# Altium PCB robot.PcbDoc (part 13 of 13)
Units mm, origin at the board's own origin, x right, y up, seen from the top; angles counter-clockwise.
Board outline 97 x 68 mm, 2 copper layers (Top Layer, Bottom Layer); 163 components, 156 nets, 23258 pads, 60 vias.
Unrouted connection lines stored in the file: 298.
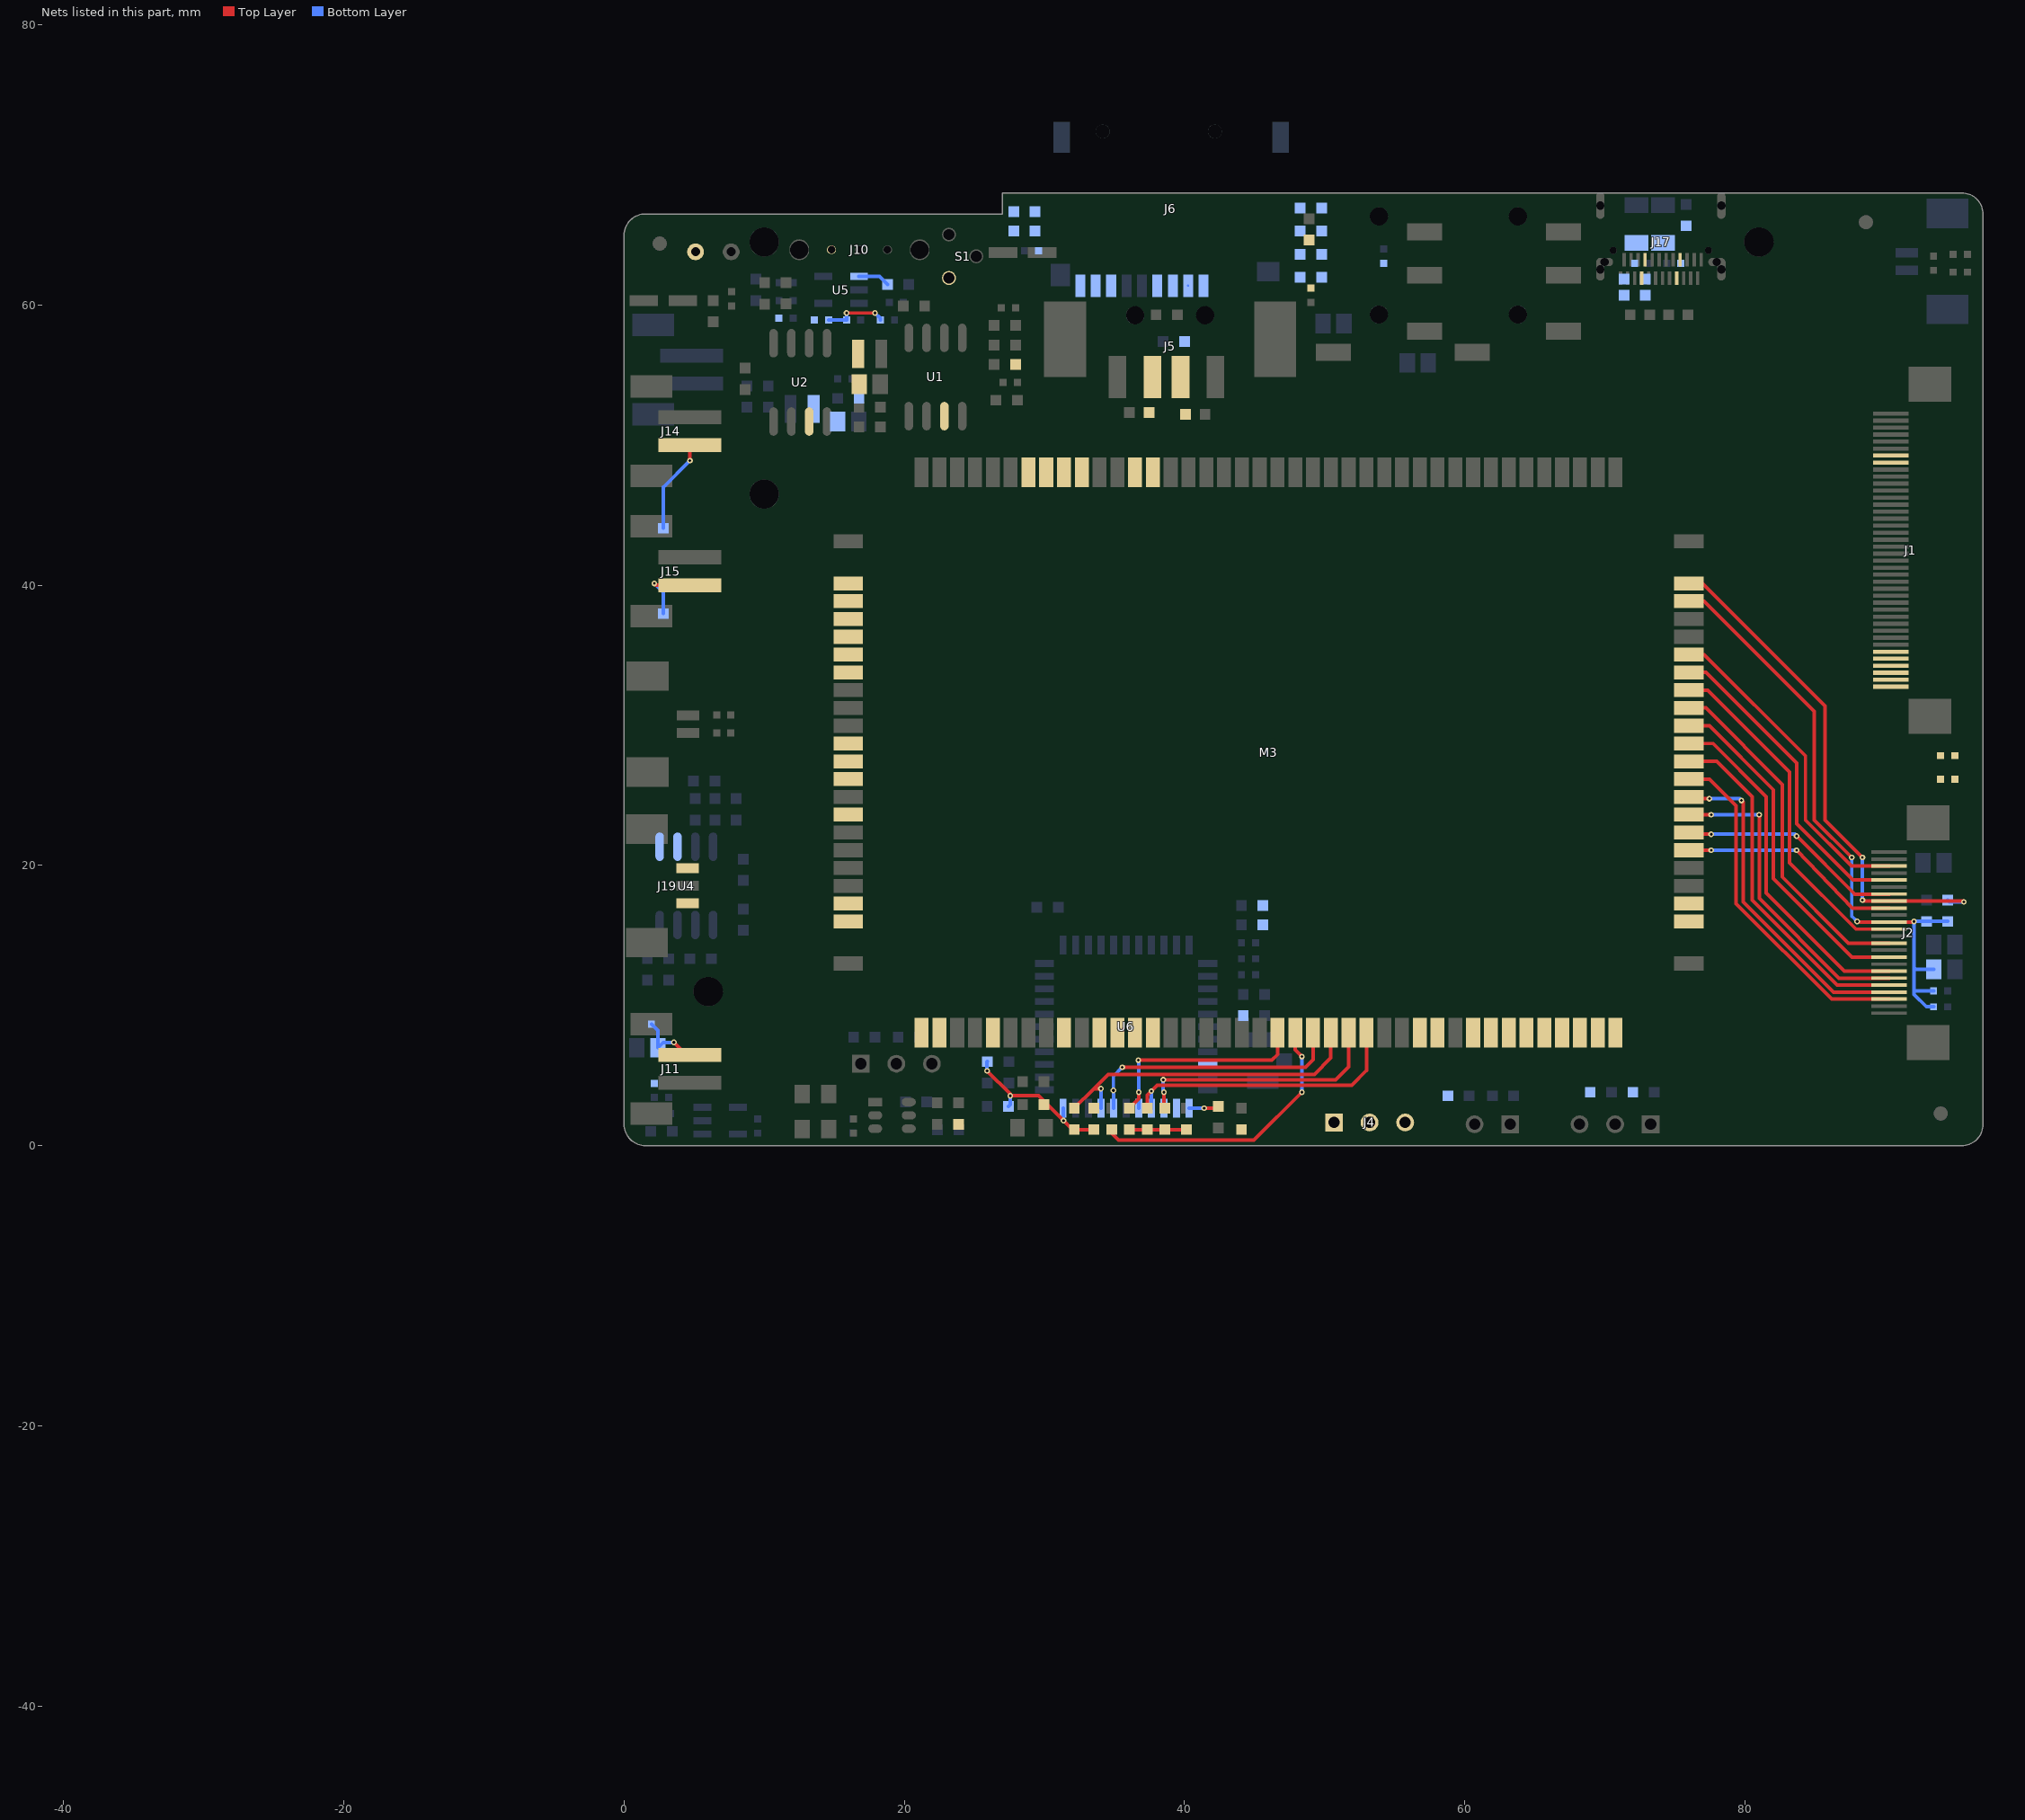
[diagram p13: the nets of this part, all layers, seen from the top]

## Via types
v1: diameter 0.406, hole 0.203, Top Layer to Bottom Layer, 60 vias

## Nets (pads, with @x,y where several pads share a name; then routed paths per layer and width w, separated by ;. In a path a pad name is that pad's centre, name@x,y a point inside that pad or via, vN(x,y) a via of type N, cw(c..) or ccw(c..) an arc to the next point about the centre after c; other vN are vias at no path point) (continued)
PE2_CSI-HSYNC: J2.9 M3.65 | length 16
  Top Layer w0.254: M3.65@76.002,21.082 v1(77.597,21.082) ; v1(83.693,21.082) 87.693,16.955 J2.9@90.297,16.955
  Bottom Layer w0.254: v1(77.597,21.082) v1(83.693,21.082)
PE3_CSI-VSYNC: J2.7 M3.66 | length 16.1
  Top Layer w0.254: M3.66@76.002,22.352 76.129,22.225 v1(77.597,22.225) ; v1(83.693,22.098) 87.836,17.955 J2.7@90.297,17.955
  Bottom Layer w0.254: v1(77.597,22.225) 83.566,22.225 v1(83.693,22.098)
PE4_CSI-D0: J2.19 M3.67 | length 22.6
  Top Layer w0.254: M3.67@76.002,23.622 v1(77.597,23.622) ; v1(81.026,23.622) 81.026,17.653 86.724,11.955 J2.19@90.297,11.955
  Bottom Layer w0.254: v1(77.597,23.622) v1(81.026,23.622)
PE5_CSI-D1: J2.21 M3.68 | length 24.2
  Top Layer w0.254: M3.68@76.002,24.892 76.129,24.765 v1(77.47,24.765) ; v1(79.756,24.638) 79.883,24.511 79.883,17.399 86.327,10.955 J2.21@90.297,10.955
  Bottom Layer w0.254: v1(77.47,24.765) 79.629,24.765 v1(79.756,24.638)
PE6_CSI-D2: J2.22 M3.69 | length 24.9
  Top Layer w0.254: M3.69@76.002,26.162 77.47,26.162 79.375,24.257 79.375,17.272 86.192,10.455 J2.22@90.297,10.455
PE7_CSI-D3: J2.20 M3.70 | length 25.2
  Top Layer w0.254: M3.70@76.002,27.432 77.978,27.432 80.518,24.892 80.518,17.526 86.589,11.455 J2.20@90.297,11.455
PE8_CSI-D4: J2.18 M3.71 | length 25
  Top Layer w0.254: M3.71@76.002,28.702 77.724,28.702 81.534,24.892 81.534,18.034 87.113,12.455 J2.18@90.297,12.455
PE9_CSI-D5: J2.16 M3.72 | length 24.9
  Top Layer w0.254: M3.72@76.002,29.972 77.47,29.972 82.042,25.4 82.042,19.05 87.637,13.455 J2.16@90.297,13.455
PE10_CSI-D6: J2.14 M3.73 | length 25.1
  Top Layer w0.254: M3.73@76.002,31.242 77.216,31.242 82.677,25.781 82.677,19.177 87.399,14.455 J2.14@90.297,14.455
PE11_CSI-D7: J2.12 M3.74 | length 25.2
  Top Layer w0.254: M3.74@76.002,32.512 77.343,32.512 83.185,26.67 83.185,20.193 87.923,15.455 J2.12@90.297,15.455
PE12_CSI-SCK: J2.5 M3.75 | length 23
  Top Layer w0.254: M3.75@76.002,33.782 77.216,33.782 83.693,27.305 83.693,22.987 87.725,18.955 J2.5@90.297,18.955
PE13_CSI-SDA: J2.3 M3.76 | length 23.2
  Top Layer w0.254: M3.76@76.002,35.052 77.089,35.052 84.328,27.813 84.328,23.241 87.614,19.955 J2.3@90.297,19.955
PE16_CSI-RST-F: C13.1 C14.1 C15.1 J2.11 M3.2 M3.79 R3.1 R5.2 | length 44.8
  Top Layer w0.254: M3.79@76.002,38.862 77.089,38.862 84.963,30.988 84.963,23.241 v1(87.63,20.574) ; v1(88.011,16.002) 88.058,15.955 J2.11@90.297,15.955 92.028,15.955 v1(92.075,16.002)
  Bottom Layer w0.254: v1(87.63,20.574) 87.63,16.383 v1(88.011,16.002) ; C13.1@93.472,9.906 92.964,9.906 92.075,10.795 92.075,11.049 ; C15.1@93.472,11.049 92.075,11.049 ; C14.1@93.496,12.573 92.202,12.573 92.075,12.7 ; R5.2@94.488,16.002 R3.1@92.964,16.002 v1(92.075,16.002) 92.075,12.7 ; 92.075,11.049 92.075,12.7
PE17_CSI-STBY-F: J2.8 M3.80 R5.1 | length 36.8
  Top Layer w0.254: M3.80@76.002,40.132 76.962,40.132 85.725,31.369 85.725,23.241 v1(88.392,20.574) ; v1(88.392,17.526) 88.463,17.455 J2.8@90.297,17.455 95.575,17.455 v1(95.631,17.399)
  Bottom Layer w0.254: v1(88.392,17.526) v1(88.392,20.574) ; R5.1@94.488,17.526 94.615,17.399 v1(95.631,17.399)
PH4-SCK1: M3.49
PH5-SDA1: M3.50
POWERKEY: J19.1 M3.14
PS: C11.2 D3.A J4.3 J19.3 L12.1 M3.10 M3.11 U2.3
RESET-N: M3.22 S1.2
SDC0-CLK: M3.58 R24.1 R44.1
SDC0-CMD: J6.3 M3.57 R19.1
SDC0-D0: J6.7 M3.53 R23.1
SDC0-D1: J6.8 M3.54 R22.1
SDC0-D2: J6.1 M3.55 R20.1
SDC0-D3: J6.2 M3.56 R18.1 R43.1
SDIO-CLK: M3.42 R48.2 | length 19.9
  Top Layer w0.254: R48.2@34.82,1.143 34.82,0.867 35.306,0.381 44.958,0.381 v1(48.387,3.81) ; M3.42@47.907,8.067 47.907,6.83 v1(48.387,6.35)
  Bottom Layer w0.254: v1(48.387,3.81) v1(48.387,6.35)
SDIO-CMD: M3.41 R52.2 U6.16 | length 16.5
  Top Layer w0.254: R52.2@36.068,2.667 36.736,3.335 v1(36.736,3.81) ; v1(36.703,6.096) 46.228,6.096 46.637,6.505 M3.41@46.637,8.067
  Bottom Layer w0.254: v1(36.703,6.096) 36.736,6.063 v1(36.736,3.81) U6.16@36.736,2.667
SDIO-D0: M3.43 R53.2 U6.18 | length 19
  Top Layer w0.254: v1(35.56,5.588) 48.641,5.588 49.177,6.124 M3.43@49.177,8.067
  Bottom Layer w0.254: U6.18@34.936,2.667 34.936,3.672 34.925,3.683 v1(34.925,3.937) 34.925,4.953 v1(35.56,5.588)
SDIO-D1: M3.44 R54.2 U6.19 | length 23.5
  Top Layer w0.254: R54.2@32.131,2.667 33.528,4.064 ; v1(34.036,4.064) 33.528,4.064 ; M3.44@50.447,8.067 50.447,6.251 49.276,5.08 34.544,5.08 33.528,4.064
  Bottom Layer w0.254: U6.19@34.036,2.667 v1(34.036,4.064)
SDIO-D2: M3.45 R50.2 U6.14 | length 19.3
  Top Layer w0.254: v1(38.481,4.699) 50.8,4.699 51.717,5.616 M3.45@51.717,8.067 ; v1(38.536,3.81) 38.536,2.849 38.481,2.794 R50.2@38.608,2.667
  Bottom Layer w0.254: v1(38.481,4.699) 38.481,3.865 v1(38.536,3.81) U6.14@38.536,2.667
SDIO-D3: M3.46 R51.2 U6.15 | length 21.2
  Top Layer w0.254: R51.2@37.338,2.667 37.338,3.595 v1(37.636,3.893) 38.061,4.318 51.943,4.318 52.987,5.362 M3.46@52.987,8.067
  Bottom Layer w0.254: U6.15@37.636,2.667 v1(37.636,3.893)
SPI0-CLK: M3.61
SPI0-CS: M3.62
SPI0-MISO: M3.59
SPI0-MOSI: M3.60
T-CARD-DET: C20.1 J6.9 M3.52 R21.1
TEMP: C42.1 M3.5 R37.2 R61.1 | length 4.5
  Top Layer w0.254: v1(15.875,59.436) v1(17.907,59.436)
  Bottom Layer w0.254: R61.1@14.605,58.928 C42.1@15.875,58.928 v1(15.875,59.436) ; v1(17.907,59.436) 18.288,59.055 R37.2@18.288,58.928
TP-INT: J1.37 M3.34
TP-RST: J1.40 M3.31
TP-SCK: J1.39 M3.32 R13.2
TP-SDA: J1.38 M3.33 R10.2
UART2_CTS: M3.25 R62.2
USB-DM0: M3.113 R49.1
USB-DM1: D1.1 J5.2 M3.111
USB-DP0: M3.114 R47.1
USB-DP1: D2.1 J5.3 M3.112
USB-DRVVBUS: M3.21 R58.2
USB-ID: M3.29 R55.1
USBVBUS: C34.1 C44.1 C45.1 C46.2 J17.A4 J17.A9 J17.B4 J17.B9 M3.12 R55.2 R57.1 U5.1 | length 2.3
  Bottom Layer w0.254: U5.1@16.764,62.039 18.224,62.039 C34.1@18.796,61.468
VBAT: C35.1 C36.1 J4.1 J10.3 J11.1 M3.19 M3.20 | length 4.7
  Top Layer w0.254: v1(3.556,7.366) 4.445,6.477 J11.1@4.699,6.477
  Bottom Layer w0.254: C35.1@1.949,8.677 2.401,8.225 C36.1@2.401,6.985 2.782,7.366 v1(3.556,7.366)
VCC: C5.2 J4.2 J14.2 J15.2 L11.1 R38.1 R41.1 U1.3 | length 11.7
  Top Layer w0.254: v1(2.159,40.132) 2.291,40 J15.2@4.699,40 ; v1(4.699,48.895) J14.2@4.699,50
  Bottom Layer w0.254: v1(2.159,40.132) 2.794,39.497 R41.1@2.794,37.973 ; R38.1@2.794,44.069 2.794,46.99 v1(4.699,48.895)
VCC-3V0: C16.2 C19.2 J6.4 M3.1 R6.2 R15.2 R17.1 R18.2 R19.2 R20.2 R21.2 R22.2 R23.2 R34.2 R46.1 R57.2 U4.1 U4.2
VCC-CTP: J1.35 J1.36 M3.6 R10.1 R13.1
VCC-LCD: J1.7 J1.8 M3.4 R61.2
VCC-WIFI: C43.1 C47.2 C51.1 M3.3 R27.1 R31.1 R32.1 R36.2 R42.1 R50.1 R51.1 R52.1 R53.1 R54.1 U6.9 U6.22 | length 16
  Top Layer w0.254: v1(25.908,5.334) 27.559,3.683 v1(27.559,3.556) 29.591,3.556 29.972,3.175 C47.2@29.972,2.921 30.226,2.921 v1(31.369,1.778) 32.004,1.143 R54.1@32.131,1.143 R53.1@33.528,1.143 ; R52.1@36.068,1.143 R51.1@37.338,1.143 R50.1@38.608,1.143 C51.1@40.132,1.143
  Bottom Layer w0.254: v1(25.908,5.334) 25.908,5.969 R36.2@25.933,5.994 ; R42.1@27.432,2.794 27.559,2.921 v1(27.559,3.556) ; U6.22@31.336,2.667 31.336,1.811 v1(31.369,1.778)
WL-HOST-WAKE: M3.108 U6.13
WL-REG-ON: M3.107 R45.1 U6.12 | length 2.1
  Top Layer w0.254: v1(41.402,2.667) 42.291,2.667 R45.1@42.418,2.794
  Bottom Layer w0.254: U6.12@40.336,2.667 v1(41.402,2.667)
pads on no net: "J6. " J2.1 J2.23 J2.24 J5.5 J5.6 J5.7 J5.8 J7.3 J7.4 J10.2 J10.4 J10.5 J11.3 J11.4 J12.19 J13.19 J14.3 J14.4 J15.3 J15.4 J17.A2 J17.A3 J17.A5 J17.A8 J17.A10 J17.A11 J17.B2 J17.B3 J17.B5 J17.B8 J17.B10 J17.B11 J19.4 J19.5 M1.0 M2.0 M3.7 M3.17 M3.18 M3.26 M3.27 M3.28 M3.77 M3.78 M3.104 M4.0 M5.0 M6.0 M7.0 S1.3 U6.4 U6.5 U6.8 U6.10 U6.11 U6.25 U6.26 U6.27 U6.28 U6.32 U6.35 U6.37 U6.38 U6.39 U6.40
copper on no net: | length 9.4
  Top Layer w0.254: 46.99,60.706 47.3,60.396 48.026,60.396 51.065,57.357 51.933,57.357 52.007,57.283 52.007,55.689 52.959,54.737

## Silkscreen, mask and mechanical layers (free items; w line width, h text height)
Top Overlay:
  region: 160.931,-7.295 106.531,-7.295 104.131,-9.695 104.131,-44.195 104.731,-44.195 160.931,-44.095
  region: 124.295,50.876 178.397,50.876 178.397,14.3 178.194,14.097 122.034,14.097 121.73,14.402 121.73,48.311 121.78,48.362
Bottom Overlay:
  text "音量键" at -0.843,-82.297 h0.76 r180
Mechanical 1:
  the board outline again, w0.254
Mechanical 2:
  drawing of 19725 lines, arcs and shapes, not listed
Mechanical 3:
  drawing of 7932 lines, arcs and shapes, not listed
Mechanical 4:
  lines w0: -39.046,-44.143 -39.046,-44.141 ; -39.046,-44.143 -39.045,-44.143 ; -39.046,-44.143 -39.045,-44.143 ; -39.046,-44.143 -39.046,-44.141 ; -39.046,-44.143 -39.045,-44.143 ; -39.046,-44.143 -39.046,-44.141 ; -39.046,-44.141 -39.045,-44.141 ; -39.046,-44.141 -39.045,-44.141 ; -39.046,-44.141 -39.045,-44.141 ; -39.045,-44.143 -39.045,-44.141 ; -39.045,-44.143 -39.045,-44.141 ; -39.045,-44.143 -39.045,-44.141 ; -39.043,-44.112 -39.042,-44.112 ; -39.043,-44.112 -39.043,-44.108 ; -39.043,-44.112 -39.043,-44.108 ; -39.043,-44.112 -39.042,-44.112 ; -39.043,-44.112 -39.043,-44.108 ; -39.043,-44.112 -39.042,-44.112 ; -39.043,-44.108 -39.042,-44.108 ; -39.043,-44.108 -39.042,-44.108 ; -39.043,-44.108 -39.042,-44.108 ; -39.044,-44.1 -39.044,-44.097 ; -39.044,-44.1 -39.042,-44.1 ; -39.044,-44.1 -39.042,-44.1 ; -39.044,-44.1 -39.044,-44.097 ; -39.044,-44.1 -39.042,-44.1 ; -39.044,-44.1 -39.044,-44.097 ; -39.044,-44.097 -39.042,-44.097 ; -39.044,-44.097 -39.042,-44.097 ; -39.044,-44.097 -39.042,-44.097 ; -39.042,-44.1 -39.042,-44.097 ; -39.042,-44.1 -39.042,-44.097 ; -39.042,-44.1 -39.042,-44.097 ; -39.042,-44.112 -39.042,-44.108 ; -39.042,-44.112 -39.042,-44.108 ; -39.042,-44.112 -39.042,-44.108 ; -39.041,-44.11 -39.041,-44.108 ; -39.041,-44.11 -39.038,-44.11 ; -39.041,-44.11 -39.038,-44.11 ; -39.041,-44.11 -39.041,-44.108 ; -39.041,-44.11 -39.038,-44.11 ; -39.041,-44.11 -39.041,-44.108 ; -39.041,-44.108 -39.038,-44.108 ; -39.041,-44.108 -39.038,-44.108 ; -39.041,-44.108 -39.038,-44.108 ; -39.038,-44.122 -39.036,-44.122 ; -39.038,-44.122 -39.038,-44.121 ; -39.038,-44.122 -39.038,-44.121 ; -39.038,-44.122 -39.036,-44.122 ; -39.038,-44.122 -39.038,-44.121 ; -39.038,-44.122 -39.036,-44.122 ; -39.038,-44.121 -39.036,-44.121 ; -39.038,-44.121 -39.036,-44.121 ; -39.038,-44.121 -39.036,-44.121 ; -39.038,-44.11 -39.038,-44.108 ; -39.038,-44.11 -39.038,-44.108 ; -39.038,-44.11 -39.038,-44.108 ; -39.036,-44.122 -39.036,-44.121 ; -39.036,-44.122 -39.036,-44.121 ; -39.036,-44.122 -39.036,-44.121 ; -39.036,-44.104 -39.036,-44.101 ; -39.036,-44.104 -39.034,-44.104 ; -39.036,-44.104 -39.034,-44.104 ; -39.036,-44.104 -39.036,-44.101 ; -39.036,-44.104 -39.034,-44.104 ; -39.036,-44.104 -39.036,-44.101 ; -39.036,-44.101 -39.034,-44.101 ; -39.036,-44.101 -39.034,-44.101 ; -39.036,-44.101 -39.034,-44.101 ; -39.034,-44.104 -39.034,-44.101 ; -39.034,-44.104 -39.034,-44.101 ; -39.034,-44.104 -39.034,-44.101 ; -38.995,-44.105 -38.995,-44.102 ; -38.995,-44.105 -38.994,-44.105 ; -38.995,-44.105 -38.994,-44.105 ; -38.995,-44.105 -38.995,-44.102 ; -38.995,-44.105 -38.994,-44.105 ; -38.995,-44.105 -38.995,-44.102 ; -38.995,-44.102 -38.994,-44.102 ; -38.995,-44.102 -38.994,-44.102 ; -38.995,-44.102 -38.994,-44.102 ; -38.994,-44.105 -38.994,-44.102 ; -38.994,-44.105 -38.994,-44.102 ; -38.994,-44.105 -38.994,-44.102 ; -38.993,-44.105 -38.993,-44.102 ; -38.993,-44.105 -38.992,-44.105 ; -38.993,-44.105 -38.992,-44.105 ; -38.993,-44.105 -38.993,-44.102 ; -38.993,-44.105 -38.992,-44.105 ; -38.993,-44.105 -38.993,-44.102 ; -38.993,-44.102 -38.992,-44.102 ; -38.993,-44.102 -38.992,-44.102 ; -38.993,-44.102 -38.992,-44.102 ; -38.992,-44.105 -38.992,-44.102 ; -38.992,-44.105 -38.992,-44.102 ; -38.992,-44.105 -38.992,-44.102 ; -38.979,-44.104 -38.979,-44.102 ; -38.979,-44.104 -38.976,-44.104 ; -38.979,-44.104 -38.976,-44.104 ; -38.979,-44.104 -38.979,-44.102 ; -38.979,-44.104 -38.976,-44.104 ; -38.979,-44.104 -38.979,-44.102 ; -38.979,-44.102 -38.976,-44.102 ; -38.979,-44.102 -38.976,-44.102 ; -38.979,-44.102 -38.976,-44.102 ; -38.978,-44.105 -38.976,-44.105 ; -38.978,-44.105 -38.978,-44.104 ; -38.978,-44.105 -38.978,-44.104 ; -38.978,-44.105 -38.976,-44.105 ; -38.978,-44.105 -38.978,-44.104 ; -38.978,-44.105 -38.976,-44.105 ; -38.978,-44.104 -38.976,-44.104 ; -38.978,-44.104 -38.976,-44.104 ; -38.978,-44.104 -38.976,-44.104 ; -38.976,-44.105 -38.976,-44.104 ; -38.976,-44.105 -38.976,-44.104 ; -38.976,-44.105 -38.976,-44.104 ; -38.976,-44.104 -38.976,-44.102 ; -38.976,-44.104 -38.976,-44.102 ; -38.976,-44.104 -38.976,-44.102
Mechanical 5:
  drawing of 420 lines, arcs and shapes, not listed
Mechanical 6:
  lines w0: -39.021,-44.127 -39.021,-44.114 ; -39.021,-44.127 -39.006,-44.127 ; -39.021,-44.127 -39.006,-44.127 ; -39.021,-44.127 -39.021,-44.114 ; -39.021,-44.127 -39.006,-44.127 ; -39.021,-44.127 -39.021,-44.114 ; -39.021,-44.114 -39.006,-44.114 ; -39.021,-44.114 -39.006,-44.114 ; -39.021,-44.114 -39.006,-44.114 ; -39.006,-44.127 -39.006,-44.114 ; -39.006,-44.127 -39.006,-44.114 ; -39.006,-44.127 -39.006,-44.114
Mechanical 8:
  drawing of 9558 lines, arcs and shapes, not listed
  text "U5" at -39.045,-44.099 h0 r90
  text "U5" at -39.045,-44.099 h0 r90
  text "U5" at -39.045,-44.099 h0 r90
  text "C37" at -39.044,-44.099 h0
  text "C37" at -39.044,-44.099 h0
  text "C37" at -39.044,-44.099 h0
  text "R70" at -39.044,-44.104 h0 r90
  text "R70" at -39.044,-44.104 h0 r90
  text "R70" at -39.044,-44.104 h0 r90
  text "R71" at -39.043,-44.104 h0 r90
  text "R71" at -39.043,-44.104 h0 r90
  text "R71" at -39.043,-44.104 h0 r90
  text "C101" at -39.042,-44.095 h0
  text "C101" at -39.042,-44.095 h0
  text "C101" at -39.042,-44.095 h0
  text "R67" at -39.039,-44.095 h0
  text "R67" at -39.039,-44.095 h0
  text "R67" at -39.039,-44.095 h0
  text "R66" at -39.036,-44.095 h0
  text "R66" at -39.036,-44.095 h0
  text "R66" at -39.036,-44.095 h0
  text "C100" at -39.034,-44.098 h0 r90
  text "C100" at -39.034,-44.098 h0 r90
  text "C100" at -39.034,-44.098 h0 r90
  text "R120" at -39.033,-44.1 h0 r90
  text "R120" at -39.033,-44.1 h0 r90
  text "R120" at -39.033,-44.1 h0 r90
  text "C32" at -39.033,-44.104 h0
  text "C32" at -39.033,-44.104 h0
  text "C32" at -39.033,-44.104 h0
  text "C110" at -39.031,-44.105 h0
  text "C110" at -39.031,-44.105 h0
  text "C110" at -39.031,-44.105 h0
  text "C40" at -39.031,-44.098 h0 r90
  text "C40" at -39.031,-44.098 h0 r90
  text "C40" at -39.031,-44.098 h0 r90
  text "C36" at -39.03,-44.098 h0 r90
  text "C36" at -39.03,-44.098 h0 r90
  text "C36" at -39.03,-44.098 h0 r90
  text "J6" at -39.028,-44.097 h0
  text "J6" at -39.028,-44.097 h0
  text "J6" at -39.028,-44.097 h0
  text "R110" at -39.028,-44.098 h0 r90
  text "R110" at -39.028,-44.098 h0 r90
  text "R110" at -39.028,-44.098 h0 r90
  text "C35" at -39.027,-44.099 h0 r90
  text "C35" at -39.027,-44.099 h0 r90
  text "C35" at -39.027,-44.099 h0 r90
  text "C38" at -39.025,-44.1 h0
  text "C38" at -39.025,-44.1 h0
  text "C38" at -39.025,-44.1 h0
  text "C39" at -39.024,-44.099 h0 r90
  text "C39" at -39.024,-44.099 h0 r90
  text "C39" at -39.024,-44.099 h0 r90
  text "R111" at -39.022,-44.099 h0 r90
  text "R111" at -39.022,-44.099 h0 r90
  text "R111" at -39.022,-44.099 h0 r90
  text "J7" at -39.022,-44.097 h0
  text "J7" at -39.022,-44.097 h0
  text "J7" at -39.022,-44.097 h0
  text "J1" at -39.006,-44.099 h0
  text "J1" at -39.006,-44.099 h0
  text "J1" at -39.006,-44.099 h0
  text "J2" at -39.001,-44.1 h0
  text "J2" at -39.001,-44.1 h0
  text "J2" at -39.001,-44.1 h0
  text "R50" at -38.999,-44.106 h0 r90
  text "R50" at -38.999,-44.106 h0 r90
  text "R50" at -38.999,-44.106 h0 r90
  text "R39" at -38.997,-44.105 h0 r90
  text "R39" at -38.997,-44.105 h0 r90
  text "R39" at -38.997,-44.105 h0 r90
  text "C28" at -38.994,-44.105 h0 r90
  text "C28" at -38.994,-44.105 h0 r90
  text "C28" at -38.994,-44.105 h0 r90
  text "C24" at -38.993,-44.105 h0 r90
  text "C24" at -38.993,-44.105 h0 r90
  text "C24" at -38.993,-44.105 h0 r90
  text "C25" at -38.991,-44.105 h0 r90
  text "C25" at -38.991,-44.105 h0 r90
  text "C25" at -38.991,-44.105 h0 r90
  text "J11" at -38.988,-44.097 h0
  text "J11" at -38.988,-44.097 h0
  text "J11" at -38.988,-44.097 h0
  text "R104" at -38.986,-44.106 h0 r90
  text "R104" at -38.986,-44.106 h0 r90
  text "R104" at -38.986,-44.106 h0 r90
  text "D11" at -38.985,-44.1 h0
  text "D11" at -38.985,-44.1 h0
  text "D11" at -38.985,-44.1 h0
  text "R102" at -38.985,-44.105 h0 r90
  text "R102" at -38.985,-44.105 h0 r90
  text "R102" at -38.985,-44.105 h0 r90
  text "R113" at -38.985,-44.102 h0
  text "R113" at -38.985,-44.102 h0
  text "R113" at -38.985,-44.102 h0
  text "D12" at -38.982,-44.1 h0
  text "D12" at -38.982,-44.1 h0
  text "D12" at -38.982,-44.1 h0
  text "R112" at -38.982,-44.102 h0
  text "R112" at -38.982,-44.102 h0
  text "R112" at -38.982,-44.102 h0
  text "R101" at -38.979,-44.099 h0 r90
  text "R101" at -38.979,-44.099 h0 r90
  text "R101" at -38.979,-44.099 h0 r90
  text "C105" at -38.977,-44.1 h0
  text "C105" at -38.977,-44.1 h0
  text "C105" at -38.977,-44.1 h0
  text "C104" at -38.974,-44.101 h0
  text "C104" at -38.974,-44.101 h0
  text "C104" at -38.974,-44.101 h0
  text "C102" at -38.974,-44.102 h0
  text "C102" at -38.974,-44.102 h0
  text "C102" at -38.974,-44.102 h0
  text "C103" at -38.974,-44.106 h0
  text "C103" at -38.974,-44.106 h0
  text "C103" at -38.974,-44.106 h0
  text "J10" at -39.047,-44.111 h0 r90
  text "J10" at -39.047,-44.111 h0 r90
  text "J10" at -39.047,-44.111 h0 r90
  text "C44" at -39.044,-44.107 h0 r90
  text "C44" at -39.044,-44.107 h0 r90
  text "C44" at -39.044,-44.107 h0 r90
  text "C17" at -39.043,-44.123 h0 r90
  text "C17" at -39.043,-44.123 h0 r90
  text "C17" at -39.043,-44.123 h0 r90
  text "R29" at -39.043,-44.128 h0 r90
  text "R29" at -39.043,-44.128 h0 r90
  text "R29" at -39.043,-44.128 h0 r90
  text "D7" at -39.042,-44.115 h0 r90
  text "D7" at -39.042,-44.115 h0 r90
  text "D7" at -39.042,-44.115 h0 r90
  text "D6" at -39.042,-44.12 h0 r90
  text "D6" at -39.042,-44.12 h0 r90
  text "D6" at -39.042,-44.12 h0 r90
  text "C42" at -39.042,-44.107 h0 r90
  text "C42" at -39.042,-44.107 h0 r90
  text "C42" at -39.042,-44.107 h0 r90
  text "C13" at -39.042,-44.128 h0 r90
  text "C13" at -39.042,-44.128 h0 r90
  text "C13" at -39.042,-44.128 h0 r90
  text "R40" at -39.041,-44.123 h0 r90
  text "R40" at -39.041,-44.123 h0 r90
  text "R40" at -39.041,-44.123 h0 r90
  text "L3" at -39.04,-44.107 h0
  text "L3" at -39.04,-44.107 h0
  text "L3" at -39.04,-44.107 h0
  text "R43" at -39.04,-44.123 h0 r90
  text "R43" at -39.04,-44.123 h0 r90
  text "R43" at -39.04,-44.123 h0 r90
  text "C29" at -39.039,-44.122 h0
  text "C29" at -39.039,-44.122 h0
  text "C29" at -39.039,-44.122 h0
  text "R47" at -39.039,-44.123 h0 r90
  text "R47" at -39.039,-44.123 h0 r90
  text "R47" at -39.039,-44.123 h0 r90
  text "U2" at -39.037,-44.128 h0 r270
  text "U2" at -39.037,-44.128 h0 r270
  text "U2" at -39.037,-44.128 h0 r270
  text "C14" at -39.037,-44.123 h0 r90
  text "C14" at -39.037,-44.123 h0 r90
  text "C14" at -39.037,-44.123 h0 r90
  text "L4" at -39.037,-44.107 h0
  text "L4" at -39.037,-44.107 h0
  text "L4" at -39.037,-44.107 h0
  text "RT1" at -39.037,-44.115 h0 r90
  text "RT1" at -39.037,-44.115 h0 r90
  text "RT1" at -39.037,-44.115 h0 r90
  text "C18" at -39.036,-44.123 h0 r90
  text "C18" at -39.036,-44.123 h0 r90
  text "C18" at -39.036,-44.123 h0 r90
  text "C43" at -39.036,-44.109 h0
  text "C43" at -39.036,-44.109 h0
  text "C43" at -39.036,-44.109 h0
  text "R41" at -39.035,-44.123 h0 r90
  text "R41" at -39.035,-44.123 h0 r90
  text "R41" at -39.035,-44.123 h0 r90
  text "C50" at -39.035,-44.114 h0 r90
  text "C50" at -39.035,-44.114 h0 r90
  text "C50" at -39.035,-44.114 h0 r90
  text "R76" at -39.034,-44.114 h0 r90
  text "R92" at -39.034,-44.113 h0
  text "R92" at -39.034,-44.113 h0
  text "R76" at -39.034,-44.114 h0 r90
  text "R92" at -39.034,-44.113 h0
  text "R76" at -39.034,-44.114 h0 r90
  text "C23" at -39.034,-44.114 h0
  text "C23" at -39.034,-44.114 h0
  text "C23" at -39.034,-44.114 h0
  text "D5" at -39.032,-44.124 h0
  text "D5" at -39.032,-44.124 h0
  text "D5" at -39.032,-44.124 h0
  text "R83" at -39.032,-44.114 h0 r90
  text "R83" at -39.032,-44.114 h0 r90
  text "R83" at -39.032,-44.114 h0 r90
  text "C33" at -39.031,-44.107 h0
  text "C33" at -39.031,-44.107 h0
  text "C33" at -39.031,-44.107 h0
  text "R31" at -39.03,-44.126 h0 r90
  text "R44" at -39.03,-44.131 h0 r90
  text "R44" at -39.03,-44.131 h0 r90
  text "R31" at -39.03,-44.126 h0 r90
  text "R44" at -39.03,-44.131 h0 r90
  text "R31" at -39.03,-44.126 h0 r90
  text "R32" at -39.03,-44.129 h0 r90
  text "R32" at -39.03,-44.129 h0 r90
  text "R32" at -39.03,-44.129 h0 r90
  text "R48" at -39.03,-44.131 h0 r90
  text "R48" at -39.03,-44.131 h0 r90
  text "R48" at -39.03,-44.131 h0 r90
  text "R37" at -39.03,-44.126 h0 r90
  text "R37" at -39.03,-44.126 h0 r90
  text "R37" at -39.03,-44.126 h0 r90
  text "R38" at -39.029,-44.129 h0 r90
  text "R38" at -39.029,-44.129 h0 r90
  text "R38" at -39.029,-44.129 h0 r90
  text "D4" at -39.029,-44.124 h0
  text "D4" at -39.029,-44.124 h0
  text "D4" at -39.029,-44.124 h0
  text "D21" at -39.028,-44.11 h0
  text "D21" at -39.028,-44.11 h0
  text "D21" at -39.028,-44.11 h0
  text "R7" at -39.027,-44.125 h0
  text "R13" at -39.027,-44.124 h0
  text "R14" at -39.027,-44.125 h0
  text "R14" at -39.027,-44.125 h0
  text "R13" at -39.027,-44.124 h0
  text "R7" at -39.027,-44.125 h0
  text "R14" at -39.027,-44.125 h0
  text "R13" at -39.027,-44.124 h0
  text "R7" at -39.027,-44.125 h0
  text "R8" at -39.027,-44.126 h0
  text "R16" at -39.027,-44.127 h0
  text "R16" at -39.027,-44.127 h0
  text "R8" at -39.027,-44.126 h0
  text "R16" at -39.027,-44.127 h0
  text "R8" at -39.027,-44.126 h0
  text "D22" at -39.025,-44.11 h0
  text "D22" at -39.025,-44.11 h0
  text "D22" at -39.025,-44.11 h0
  text "D2" at -39.023,-44.124 h0
  text "D2" at -39.023,-44.124 h0
  text "D2" at -39.023,-44.124 h0
  text "R19" at -39.023,-44.127 h0
  text "R24" at -39.023,-44.126 h0
  text "R24" at -39.023,-44.126 h0
  text "R19" at -39.023,-44.127 h0
  text "R24" at -39.023,-44.126 h0
  text "R19" at -39.023,-44.127 h0
  text "R20" at -39.023,-44.128 h0
  text "R22" at -39.023,-44.127 h0
  text "R22" at -39.023,-44.127 h0
  text "R20" at -39.023,-44.128 h0
  text "R22" at -39.023,-44.127 h0
  text "R20" at -39.023,-44.128 h0
  text "R23" at -39.02,-44.128 h0
  text "R23" at -39.02,-44.128 h0
  text "R23" at -39.02,-44.128 h0
  text "R18" at -39.017,-44.129 h0
  text "R21" at -39.017,-44.129 h0
  text "R21" at -39.017,-44.129 h0
  text "R18" at -39.017,-44.129 h0
  text "R21" at -39.017,-44.129 h0
  text "R18" at -39.017,-44.129 h0
  text "R17" at -39.017,-44.13 h0
  text "R17" at -39.017,-44.13 h0
  text "R17" at -39.017,-44.13 h0
  text "R3" at -39.016,-44.131 h0
  text "R3" at -39.016,-44.131 h0
  text "R3" at -39.016,-44.131 h0
  text "R9" at -39.016,-44.13 h0
  text "R9" at -39.016,-44.13 h0
  text "R9" at -39.016,-44.13 h0
  text "D1" at -39.012,-44.11 h0 r90
  text "D1" at -39.012,-44.11 h0 r90
  text "D1" at -39.012,-44.11 h0 r90
  text "R10" at -39.011,-44.132 h0
  text "R10" at -39.011,-44.132 h0
  text "R10" at -39.011,-44.132 h0
  text "R55" at -39.005,-44.116 h0 r90
  text "R55" at -39.005,-44.116 h0 r90
  text "R55" at -39.005,-44.116 h0 r90
  text "R54" at -39.005,-44.113 h0 r90
  text "R56" at -39.005,-44.12 h0 r90
  text "R56" at -39.005,-44.12 h0 r90
  text "R54" at -39.005,-44.113 h0 r90
  text "R56" at -39.005,-44.12 h0 r90
  text "R54" at -39.005,-44.113 h0 r90
  text "R53" at -39.004,-44.122 h0 r90
  text "R53" at -39.004,-44.122 h0 r90
  text "R53" at -39.004,-44.122 h0 r90
  text "L2" at -39.002,-44.131 h0
  text "L2" at -39.002,-44.131 h0
  text "L2" at -39.002,-44.131 h0
  text "C31" at -39.001,-44.111 h0 r90
  text "C31" at -39.001,-44.111 h0 r90
  text "C31" at -39.001,-44.111 h0 r90
  text "C55" at -39,-44.128 h0 r90
  text "C55" at -39,-44.128 h0 r90
  text "C55" at -39,-44.128 h0 r90
  text "C30" at -39,-44.111 h0 r90
  text "C30" at -39,-44.111 h0 r90
  text "C30" at -39,-44.111 h0 r90
  text "C56" at -38.999,-44.128 h0 r90
  text "C56" at -38.999,-44.128 h0 r90
  text "C56" at -38.999,-44.128 h0 r90
  text "U3" at -38.999,-44.126 h0 r90
  text "U3" at -38.999,-44.126 h0 r90
  text "U3" at -38.999,-44.126 h0 r90
  text "R79" at -38.999,-44.128 h0 r90
  text "R79" at -38.999,-44.128 h0 r90
  text "R79" at -38.999,-44.128 h0 r90
  text "R52" at -38.999,-44.111 h0 r90
  text "R52" at -38.999,-44.111 h0 r90
  text "R52" at -38.999,-44.111 h0 r90
  text "R80" at -38.998,-44.128 h0 r90
  text "R80" at -38.998,-44.128 h0 r90
  text "R80" at -38.998,-44.128 h0 r90
  text "D3" at -38.997,-44.111 h0 r90
  text "D3" at -38.997,-44.111 h0 r90
  text "D3" at -38.997,-44.111 h0 r90
  text "C22" at -38.996,-44.111 h0 r90
  text "C22" at -38.996,-44.111 h0 r90
  text "C22" at -38.996,-44.111 h0 r90
  text "R58" at -38.994,-44.111 h0 r90
  text "R58" at -38.994,-44.111 h0 r90
  text "R58" at -38.994,-44.111 h0 r90
  text "R59" at -38.993,-44.111 h0 r90
  text "R59" at -38.993,-44.111 h0 r90
  text "R59" at -38.993,-44.111 h0 r90
  text "C27" at -38.992,-44.111 h0 r90
  text "C27" at -38.992,-44.111 h0 r90
  text "C27" at -38.992,-44.111 h0 r90
  text "C21" at -38.99,-44.111 h0 r90
  text "C21" at -38.99,-44.111 h0 r90
  text "C21" at -38.99,-44.111 h0 r90
  text "C26" at -38.986,-44.115 h0 r90
  text "R60" at -38.986,-44.119 h0 r90
  text "R60" at -38.986,-44.119 h0 r90
  text "C26" at -38.986,-44.115 h0 r90
  text "R60" at -38.986,-44.119 h0 r90
  text "C26" at -38.986,-44.115 h0 r90
  text "R57" at -38.986,-44.117 h0 r90
  text "R57" at -38.986,-44.117 h0 r90
  text "R57" at -38.986,-44.117 h0 r90
  text "R103" at -38.985,-44.108 h0 r90
  text "R103" at -38.985,-44.108 h0 r90
  text "R103" at -38.985,-44.108 h0 r90
  text "R61" at -38.985,-44.115 h0 r90
  text "R61" at -38.985,-44.115 h0 r90
  text "R61" at -38.985,-44.115 h0 r90
  text "R75" at -38.985,-44.128 h0 r90
  text "R75" at -38.985,-44.128 h0 r90
  text "R75" at -38.985,-44.128 h0 r90
  text "R63" at -38.984,-44.128 h0 r90
  text "R63" at -38.984,-44.128 h0 r90
  text "R63" at -38.984,-44.128 h0 r90
  text "R51" at -38.984,-44.115 h0
  text "R51" at -38.984,-44.115 h0
  text "R51" at -38.984,-44.115 h0
  text "C34" at -38.984,-44.116 h0 r90
  text "C34" at -38.984,-44.116 h0 r90
  text "C34" at -38.984,-44.116 h0 r90
  text "R62" at -38.984,-44.119 h0 r90
  text "R62" at -38.984,-44.119 h0 r90
  text "R62" at -38.984,-44.119 h0 r90
  text "R64" at -38.984,-44.128 h0 r90
  text "R64" at -38.984,-44.128 h0 r90
  text "R64" at -38.984,-44.128 h0 r90
  text "Y1" at -38.983,-44.116 h0
  text "Y1" at -38.983,-44.116 h0
  text "Y1" at -38.983,-44.116 h0
  text "U4" at -38.983,-44.119 h0 r90
  text "U4" at -38.983,-44.119 h0 r90
  text "U4" at -38.983,-44.119 h0 r90
  text "R30" at -38.983,-44.115 h0
  text "R30" at -38.983,-44.115 h0
  text "R30" at -38.983,-44.115 h0
  text "C45" at -38.982,-44.116 h0 r90
  text "C45" at -38.982,-44.116 h0 r90
  text "C45" at -38.982,-44.116 h0 r90
  text "R65" at -38.982,-44.119 h0 r90
  text "R65" at -38.982,-44.119 h0 r90
  text "R65" at -38.982,-44.119 h0 r90
  text "U10" at -38.98,-44.111 h0 r270
  text "U10" at -38.98,-44.111 h0 r270
  text "U10" at -38.98,-44.111 h0 r270
  text "L1" at -38.974,-44.109 h0 r90
  text "L1" at -38.974,-44.109 h0 r90
  text "L1" at -38.974,-44.109 h0 r90
  text "J8" at -39.048,-44.138 h0 r90
  text "J8" at -39.048,-44.138 h0 r90
  text "J8" at -39.048,-44.138 h0 r90
  text "S1" at -39.047,-44.134 h0 r90
  text "S1" at -39.047,-44.134 h0 r90
  text "S1" at -39.047,-44.134 h0 r90
  text "C41" at -39.047,-44.14 h0 r90
  text "C41" at -39.047,-44.14 h0 r90
  text "C41" at -39.047,-44.14 h0 r90
  text "R35" at -39.044,-44.135 h0 r90
  text "R35" at -39.044,-44.135 h0 r90
  text "R35" at -39.044,-44.135 h0 r90
  text "R49" at -39.043,-44.135 h0 r90
  text "R49" at -39.043,-44.135 h0 r90
  text "R49" at -39.043,-44.135 h0 r90
  text "C20" at -39.043,-44.132 h0 r90
  text "C20" at -39.043,-44.132 h0 r90
  text "C20" at -39.043,-44.132 h0 r90
  text "C11" at -39.042,-44.142 h0 r90
  text "C11" at -39.042,-44.142 h0 r90
  text "C11" at -39.042,-44.142 h0 r90
  text "R46" at -39.042,-44.134 h0
  text "R46" at -39.042,-44.134 h0
  text "R46" at -39.042,-44.134 h0
  text "C19" at -39.042,-44.132 h0 r90
  text "C19" at -39.042,-44.132 h0 r90
  text "C19" at -39.042,-44.132 h0 r90
  text "R25" at -39.041,-44.142 h0 r90
  text "R25" at -39.041,-44.142 h0 r90
  text "R25" at -39.041,-44.142 h0 r90
  text "R36" at -39.04,-44.142 h0 r90
  text "R36" at -39.04,-44.142 h0 r90
  text "R36" at -39.04,-44.142 h0 r90
  text "C16" at -39.038,-44.141 h0 r90
  text "C16" at -39.038,-44.141 h0 r90
  text "C16" at -39.038,-44.141 h0 r90
  text "C15" at -39.038,-44.137 h0 r90
  text "C15" at -39.038,-44.137 h0 r90
  text "C15" at -39.038,-44.137 h0 r90
  text "C12" at -39.037,-44.141 h0 r90
  text "C12" at -39.037,-44.141 h0 r90
  text "C12" at -39.037,-44.141 h0 r90
  text "R26" at -39.036,-44.141 h0 r90
  text "R26" at -39.036,-44.141 h0 r90
  text "R26" at -39.036,-44.141 h0 r90
  text "R28" at -39.034,-44.141 h0 r90
  text "R28" at -39.034,-44.141 h0 r90
  text "R28" at -39.034,-44.141 h0 r90
  text "R34" at -39.033,-44.141 h0 r90
  text "R34" at -39.033,-44.141 h0 r90
  text "R34" at -39.033,-44.141 h0 r90
  text "R42" at -39.032,-44.143 h0 r90
  text "R42" at -39.032,-44.143 h0 r90
  text "R42" at -39.032,-44.143 h0 r90
  text "R45" at -39.031,-44.143 h0 r90
  text "R45" at -39.031,-44.143 h0 r90
  text "R45" at -39.031,-44.143 h0 r90
  text "R27" at -39.031,-44.141 h0 r90
  text "R27" at -39.031,-44.141 h0 r90
  text "R27" at -39.031,-44.141 h0 r90
  text "R33" at -39.031,-44.143 h0 r90
  text "R33" at -39.031,-44.143 h0 r90
  text "R33" at -39.031,-44.143 h0 r90
  text "J4" at -39.029,-44.146 h0
  text "J4" at -39.029,-44.146 h0
  text "J4" at -39.029,-44.146 h0
  text "R6" at -39.029,-44.137 h0
  text "R6" at -39.029,-44.137 h0
  text "R6" at -39.029,-44.137 h0
  text "C7" at -39.029,-44.14 h0
  text "R15" at -39.029,-44.139 h0
  text "R15" at -39.029,-44.139 h0
  text "C7" at -39.029,-44.14 h0
  text "R15" at -39.029,-44.139 h0
  text "C7" at -39.029,-44.14 h0
  text "C8" at -39.028,-44.135 h0
  text "C8" at -39.028,-44.135 h0
  text "C8" at -39.028,-44.135 h0
  text "C4" at -39.028,-44.136 h0
  text "C4" at -39.028,-44.136 h0
  text "C4" at -39.028,-44.136 h0
  text "U1" at -39.025,-44.137 h0
  text "U1" at -39.025,-44.137 h0
  text "U1" at -39.025,-44.137 h0
  text "C3" at -39.024,-44.142 h0
  text "R5" at -39.024,-44.143 h0
  text "R5" at -39.024,-44.143 h0
  text "C3" at -39.024,-44.142 h0
  text "R5" at -39.024,-44.143 h0
  text "C3" at -39.024,-44.142 h0
  text "C5" at -39.02,-44.142 h0
  text "C5" at -39.02,-44.142 h0
  text "C5" at -39.02,-44.142 h0
  text "R11" at -39.02,-44.143 h0
  text "R11" at -39.02,-44.143 h0
  text "R11" at -39.02,-44.143 h0
  text "C1" at -39.018,-44.142 h0
  text "R1" at -39.018,-44.143 h0
  text "R1" at -39.018,-44.143 h0
  text "C1" at -39.018,-44.142 h0
  text "R1" at -39.018,-44.143 h0
  text "C1" at -39.018,-44.142 h0
  text "R69" at -39.017,-44.143 h0 r90
  text "R69" at -39.017,-44.143 h0 r90
  text "R69" at -39.017,-44.143 h0 r90
  text "J3" at -39.017,-44.146 h0
  text "J3" at -39.017,-44.146 h0
  text "J3" at -39.017,-44.146 h0
  text "R68" at -39.014,-44.143 h0 r90
  text "R68" at -39.014,-44.143 h0 r90
  text "R68" at -39.014,-44.143 h0 r90
  text "C9" at -39.012,-44.136 h0
  text "C9" at -39.012,-44.136 h0
  text "C9" at -39.012,-44.136 h0
  text "C2" at -39.012,-44.139 h0
  text "C2" at -39.012,-44.139 h0
  text "C2" at -39.012,-44.139 h0
  text "C6" at -39.012,-44.14 h0
  text "C6" at -39.012,-44.14 h0
  text "C6" at -39.012,-44.14 h0
  text "R2" at -39.012,-44.138 h0
  text "R2" at -39.012,-44.138 h0
  text "R2" at -39.012,-44.138 h0
  text "R12" at -39.011,-44.141 h0
  text "R12" at -39.011,-44.141 h0
  text "R12" at -39.011,-44.141 h0
  text "R4" at -39.011,-44.134 h0
  text "R4" at -39.011,-44.134 h0
  text "R4" at -39.011,-44.134 h0
  text "C10" at -39.011,-44.135 h0
  text "C10" at -39.011,-44.135 h0
  text "C10" at -39.011,-44.135 h0
  text "J9" at -39.002,-44.146 h0
  text "J9" at -39.002,-44.146 h0
  text "J9" at -39.002,-44.146 h0
  text "R82" at -39.001,-44.143 h0
  text "R84" at -39.001,-44.136 h0
  text "R87" at -39.001,-44.141 h0
  text "R88" at -39.001,-44.139 h0
  text "R89" at -39.001,-44.137 h0
  text "R90" at -39.001,-44.135 h0
  text "R91" at -39.001,-44.133 h0
  text "R91" at -39.001,-44.133 h0
  text "R90" at -39.001,-44.135 h0
  text "R89" at -39.001,-44.137 h0
  text "R88" at -39.001,-44.139 h0
  text "R87" at -39.001,-44.141 h0
  text "R84" at -39.001,-44.136 h0
  text "R82" at -39.001,-44.143 h0
  text "R91" at -39.001,-44.133 h0
  text "R90" at -39.001,-44.135 h0
  text "R89" at -39.001,-44.137 h0
  text "R88" at -39.001,-44.139 h0
  text "R87" at -39.001,-44.141 h0
  text "R84" at -39.001,-44.136 h0
  text "R82" at -39.001,-44.143 h0
  text "C57" at -38.995,-44.147 h0 r90
  text "C57" at -38.995,-44.147 h0 r90
  text "C57" at -38.995,-44.147 h0 r90
  text "C51" at -38.994,-44.147 h0 r90
  text "C51" at -38.994,-44.147 h0 r90
  text "C51" at -38.994,-44.147 h0 r90
  text "R77" at -38.991,-44.147 h0 r90
  text "R77" at -38.991,-44.147 h0 r90
  text "R77" at -38.991,-44.147 h0 r90
  text "C47" at -38.988,-44.148 h0 r90
  text "C47" at -38.988,-44.148 h0 r90
  text "C47" at -38.988,-44.148 h0 r90
  text "C48" at -38.987,-44.147 h0
  text "C48" at -38.987,-44.147 h0
  text "C48" at -38.987,-44.147 h0
  text "C49" at -38.987,-44.148 h0 r90
  text "C49" at -38.987,-44.148 h0 r90
  text "C49" at -38.987,-44.148 h0 r90
  text "U7" at -38.982,-44.136 h0
  text "U7" at -38.982,-44.136 h0
  text "U7" at -38.982,-44.136 h0
  text "R74" at -38.981,-44.132 h0 r90
  text "R74" at -38.981,-44.132 h0 r90
  text "R74" at -38.981,-44.132 h0 r90
  text "R72" at -38.979,-44.138 h0
  text "R73" at -38.979,-44.141 h0
  text "R73" at -38.979,-44.141 h0
  text "R72" at -38.979,-44.138 h0
  text "R73" at -38.979,-44.141 h0
  text "R72" at -38.979,-44.138 h0
  text "ANT1" at -38.978,-44.144 h0
  text "ANT1" at -38.978,-44.144 h0
  text "ANT1" at -38.978,-44.144 h0
Mechanical 9:
  lines w0: -39.05,-44.15 ccw(c-39.049,-44.15) -39.049,-44.151 ; -39.05,-44.15 ccw(c-39.049,-44.15) -39.049,-44.151 ; -39.05,-44.15 ccw(c-39.049,-44.15) -39.049,-44.151 ; -39.049,-44.151 -38.974,-44.151 ; -39.05,-44.15 -39.05,-44.096 ; -39.05,-44.15 -39.05,-44.096 ; -39.049,-44.151 -38.974,-44.151 ; -39.05,-44.15 -39.05,-44.096 ; -39.049,-44.151 -38.974,-44.151 ; -39.05,-44.097 -39.05,-44.095 ; -39.05,-44.097 -39.05,-44.095 ; -39.05,-44.097 -39.05,-44.095 ; -39.05,-44.095 -39.05,-44.094 ; -39.05,-44.095 -39.05,-44.094 ; -39.05,-44.095 -39.05,-44.094 ; -39.05,-44.094 cw(c-39.05,-44.094) -39.05,-44.093 ; -39.05,-44.094 cw(c-39.05,-44.094) -39.05,-44.093 ; -39.05,-44.094 cw(c-39.05,-44.094) -39.05,-44.093 ; -39.05,-44.093 -38.975,-44.093 ; -39.05,-44.093 -38.975,-44.093 ; -39.05,-44.093 -38.975,-44.093 ; -39.021,-44.127 -39.021,-44.114 ; -39.021,-44.127 -39.006,-44.127 ; -39.021,-44.127 -39.006,-44.127 ; -39.021,-44.127 -39.021,-44.114 ; -39.021,-44.127 -39.006,-44.127 ; -39.021,-44.127 -39.021,-44.114 ; -39.021,-44.114 -39.006,-44.114 ; -39.021,-44.114 -39.006,-44.114 ; -39.021,-44.114 -39.006,-44.114 ; -39.006,-44.127 -39.006,-44.114 ; -39.006,-44.127 -39.006,-44.114 ; -39.006,-44.127 -39.006,-44.114 ; -38.975,-44.151 ccw(c-38.975,-44.15) -38.973,-44.15 ; -38.975,-44.151 ccw(c-38.975,-44.15) -38.973,-44.15 ; -38.975,-44.151 ccw(c-38.975,-44.15) -38.973,-44.15 ; -38.975,-44.093 ccw(c-38.975,-44.093) -38.975,-44.093 ; -38.975,-44.093 ccw(c-38.975,-44.093) -38.975,-44.093 ; -38.975,-44.093 cw(c-38.975,-44.094) -38.973,-44.094 ; -38.975,-44.093 ccw(c-38.975,-44.093) -38.975,-44.093 ; -38.975,-44.093 ccw(c-38.975,-44.093) -38.975,-44.093 ; -38.975,-44.093 ccw(c-38.975,-44.093) -38.975,-44.093 ; -38.975,-44.093 ccw(c-38.975,-44.093) -38.975,-44.093 ; -38.975,-44.093 cw(c-38.975,-44.094) -38.973,-44.094 ; -38.975,-44.093 ccw(c-38.975,-44.093) -38.975,-44.093 ; -38.975,-44.093 ccw(c-38.975,-44.093) -38.975,-44.093 ; -38.975,-44.093 ccw(c-38.975,-44.093) -38.975,-44.093 ; -38.975,-44.093 ccw(c-38.975,-44.093) -38.975,-44.093 ; -38.975,-44.093 cw(c-38.975,-44.094) -38.973,-44.094 ; -38.975,-44.093 ccw(c-38.975,-44.093) -38.975,-44.093 ; -38.975,-44.093 ccw(c-38.975,-44.093) -38.975,-44.093 ; -38.973,-44.15 -38.973,-44.097 ; -38.973,-44.15 -38.973,-44.097 ; -38.973,-44.15 -38.973,-44.097 ; -38.973,-44.097 -38.973,-44.095 ; -38.973,-44.097 -38.973,-44.095 ; -38.973,-44.097 -38.973,-44.095 ; -38.973,-44.095 -38.973,-44.094 ; -38.973,-44.095 -38.973,-44.094 ; -38.973,-44.095 -38.973,-44.094
Mechanical 10:
  drawing of 201 lines, arcs and shapes, not listed
Mechanical 11:
  drawing of 498 lines, arcs and shapes, not listed
  text "M1" at -39.043,-44.145 h0
  text "M1" at -39.043,-44.145 h0
  text "M1" at -39.043,-44.145 h0
Mechanical 12:
  drawing of 372 lines, arcs and shapes, not listed
Mechanical 13:
  drawing of 1761 lines, arcs and shapes, not listed
Mechanical 14:
  drawing of 459 lines, arcs and shapes, not listed
Mechanical 15:
  drawing of 1848 lines, arcs and shapes, not listed
Mechanical 16:
  lines w0: -39.049,-44.11 ccw(c-39.049,-44.11) -39.048,-44.11 ; -39.049,-44.11 ccw(c-39.049,-44.11) -39.048,-44.11 ; -39.049,-44.11 ccw(c-39.049,-44.11) -39.048,-44.11 ; -39.048,-44.11 -39.048,-44.109 ; -39.049,-44.11 -39.049,-44.109 ; -39.049,-44.11 -39.049,-44.109 ; -39.048,-44.11 -39.048,-44.109 ; -39.049,-44.11 -39.049,-44.109 ; -39.048,-44.11 -39.048,-44.109 ; -39.048,-44.109 ccw(c-39.049,-44.109) -39.049,-44.109 ; -39.048,-44.109 ccw(c-39.049,-44.109) -39.049,-44.109 ; -39.048,-44.109 ccw(c-39.049,-44.109) -39.049,-44.109 ; -39.049,-44.105 ccw(c-39.049,-44.105) -39.048,-44.105 ; -39.049,-44.105 ccw(c-39.049,-44.105) -39.048,-44.105 ; -39.049,-44.105 ccw(c-39.049,-44.105) -39.048,-44.105 ; -39.048,-44.105 -39.048,-44.103 ; -39.049,-44.105 -39.049,-44.103 ; -39.049,-44.105 -39.049,-44.103 ; -39.048,-44.105 -39.048,-44.103 ; -39.049,-44.105 -39.049,-44.103 ; -39.048,-44.105 -39.048,-44.103 ; -39.048,-44.103 ccw(c-39.049,-44.103) -39.049,-44.103 ; -39.048,-44.103 ccw(c-39.049,-44.103) -39.049,-44.103 ; -39.048,-44.103 ccw(c-39.049,-44.103) -39.049,-44.103 ; -38.987,-44.094 ccw(c-38.987,-44.094) -38.987,-44.094 ; -38.987,-44.095 ccw(c-38.987,-44.095) -38.987,-44.095 ; -38.987,-44.095 ccw(c-38.987,-44.095) -38.987,-44.095 ; -38.987,-44.094 ccw(c-38.987,-44.094) -38.987,-44.094 ; -38.987,-44.095 ccw(c-38.987,-44.095) -38.987,-44.095 ; -38.987,-44.094 ccw(c-38.987,-44.094) -38.987,-44.094 ; -38.987,-44.095 -38.987,-44.094 ; -38.987,-44.095 -38.987,-44.094 ; -38.987,-44.095 -38.987,-44.094 ; -38.987,-44.095 -38.987,-44.094 ; -38.987,-44.095 -38.987,-44.094 ; -38.987,-44.095 -38.987,-44.094 ; -38.981,-44.094 ccw(c-38.981,-44.094) -38.981,-44.094 ; -38.981,-44.096 ccw(c-38.981,-44.096) -38.981,-44.096 ; -38.981,-44.096 ccw(c-38.981,-44.096) -38.981,-44.096 ; -38.981,-44.094 ccw(c-38.981,-44.094) -38.981,-44.094 ; -38.981,-44.096 ccw(c-38.981,-44.096) -38.981,-44.096 ; -38.981,-44.094 ccw(c-38.981,-44.094) -38.981,-44.094 ; -38.981,-44.096 -38.981,-44.094 ; -38.981,-44.096 -38.981,-44.094 ; -38.981,-44.096 -38.981,-44.094 ; -38.981,-44.096 -38.981,-44.094 ; -38.981,-44.096 -38.981,-44.094 ; -38.981,-44.096 -38.981,-44.094
  lines w0.001: -39.045,-44.133 cw(c-39.045,-44.133) -39.045,-44.132 ; -39.045,-44.133 ccw(c-39.045,-44.133) -39.045,-44.132 ; -39.045,-44.133 ccw(c-39.045,-44.133) -39.045,-44.132 ; -39.045,-44.133 cw(c-39.045,-44.133) -39.045,-44.132 ; -39.045,-44.133 ccw(c-39.045,-44.133) -39.045,-44.132 ; -39.045,-44.133 cw(c-39.045,-44.133) -39.045,-44.132 ; -39.045,-44.125 ccw(c-39.045,-44.125) -39.045,-44.126 ; -39.045,-44.126 ccw(c-39.045,-44.125) -39.045,-44.125 ; -39.045,-44.126 ccw(c-39.045,-44.125) -39.045,-44.125 ; -39.045,-44.125 ccw(c-39.045,-44.125) -39.045,-44.126 ; -39.045,-44.126 ccw(c-39.045,-44.125) -39.045,-44.125 ; -39.045,-44.125 ccw(c-39.045,-44.125) -39.045,-44.126
  lines w0.002: -39.048,-44.148 cw(c-39.047,-44.148) -39.047,-44.148 ; -39.048,-44.148 ccw(c-39.047,-44.148) -39.047,-44.148 ; -39.048,-44.148 ccw(c-39.047,-44.148) -39.047,-44.148 ; -39.048,-44.148 cw(c-39.047,-44.148) -39.047,-44.148 ; -39.048,-44.148 ccw(c-39.047,-44.148) -39.047,-44.148 ; -39.048,-44.148 cw(c-39.047,-44.148) -39.047,-44.148 ; -39.048,-44.096 cw(c-39.047,-44.096) -39.047,-44.096 ; -39.048,-44.096 ccw(c-39.047,-44.096) -39.047,-44.096 ; -39.048,-44.096 ccw(c-39.047,-44.096) -39.047,-44.096 ; -39.048,-44.096 cw(c-39.047,-44.096) -39.047,-44.096 ; -39.048,-44.096 ccw(c-39.047,-44.096) -39.047,-44.096 ; -39.048,-44.096 cw(c-39.047,-44.096) -39.047,-44.096 ; -38.977,-44.148 cw(c-38.976,-44.148) -38.976,-44.148 ; -38.977,-44.148 ccw(c-38.976,-44.148) -38.976,-44.148 ; -38.977,-44.148 ccw(c-38.976,-44.148) -38.976,-44.148 ; -38.977,-44.148 cw(c-38.976,-44.148) -38.976,-44.148 ; -38.977,-44.148 ccw(c-38.976,-44.148) -38.976,-44.148 ; -38.977,-44.148 cw(c-38.976,-44.148) -38.976,-44.148 ; -38.977,-44.096 cw(c-38.976,-44.096) -38.976,-44.096 ; -38.977,-44.096 ccw(c-38.976,-44.096) -38.976,-44.096 ; -38.977,-44.096 ccw(c-38.976,-44.096) -38.976,-44.096 ; -38.977,-44.096 cw(c-38.976,-44.096) -38.976,-44.096 ; -38.977,-44.096 ccw(c-38.976,-44.096) -38.976,-44.096 ; -38.977,-44.096 cw(c-38.976,-44.096) -38.976,-44.096

## Text inside footprints (layer, text, board x,y; h text height)
C4: Top Overlay "+" at 29.083,64.262 h1.27
C10: Top Overlay "+" at 2.159,59.817 h1.27 r180
J6: Mechanical 9 "8" at 33.664,61.644 h0.6 r180; Mechanical 9 "7" at 34.764,61.644 h0.6 r180; Mechanical 9 "5" at 36.964,61.644 h0.6 r180; Mechanical 9 "1" at 41.364,61.644 h0.6 r180; Mechanical 9 "3" at 39.164,61.644 h0.6 r180; Mechanical 9 "2" at 40.264,61.644 h0.6 r180; Mechanical 9 "4" at 38.064,61.644 h0.6 r180; Mechanical 9 "6" at 35.864,61.644 h0.6 r180; Mechanical 9 "9" at 32.564,61.644 h0.6 r180